# Altium PCB CM3_IO_V1.3_20220317.PcbDoc (part 3 of 7) (continued)
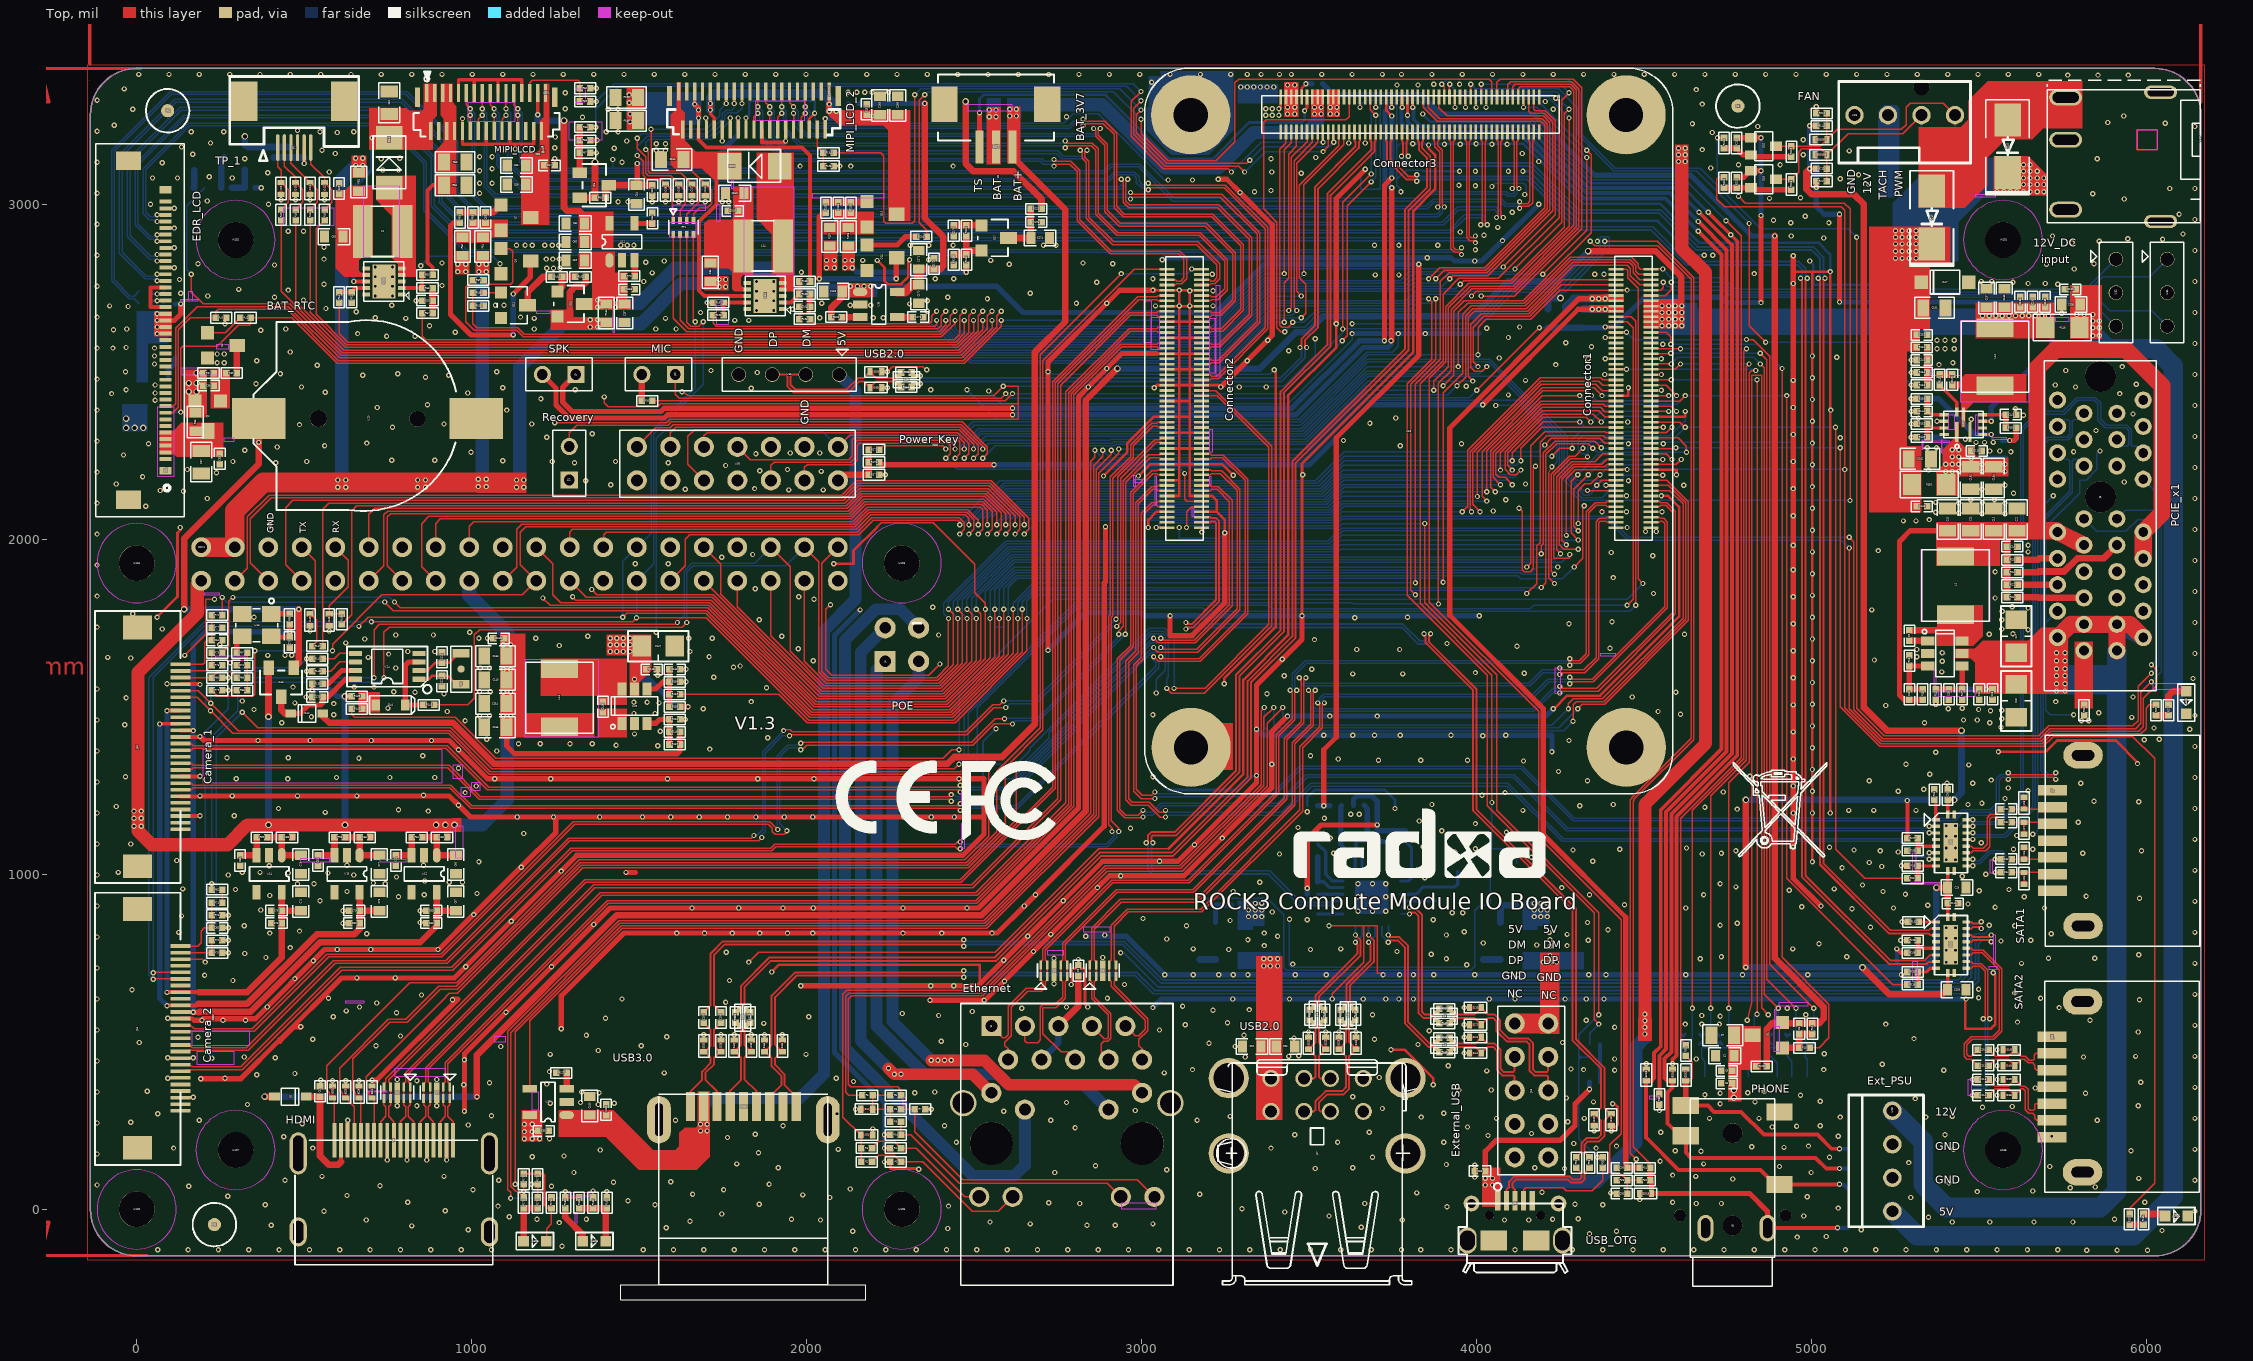
[diagram p0: Top view]
## Nets (pads, with @x,y where several pads share a name; then routed paths per layer and width w, separated by ;. In a path a pad name is that pad's centre, name@x,y a point inside that pad or via, vN(x,y) a via of type N, cw(c..) or ccw(c..) an arc to the next point about the centre after c; other vN are vias at no path point) (continued)
  other v1: 5820.87,-122.05 5911.42,-122.05 6001.97,-122.05 62.99,-120.08 153.54,-120.08 244.09,-120.08 334.65,-120.08 425.2,-120.08 515.75,-120.08 606.3,-120.08 696.85,-120.08 787.4,-120.08 877.95,-120.08 968.5,-120.08 1059.06,-120.08 1511.81,-120.08 1602.36,-120.08 1692.91,-120.08 1783.46,-120.08 1874.02,-120.08 1964.57,-120.08 2055.12,-120.08 2145.67,-120.08 2236.22,-120.08 2326.77,-120.08 2417.32,-120.08 2507.87,-120.08 2598.43,-120.08 2688.98,-120.08 2779.53,-120.08 2870.08,-120.08 2960.63,-120.08 3051.18,-120.08 3141.73,-120.08 3232.28,-120.08 3322.83,-120.08 3413.39,-120.08 3503.94,-120.08 3594.49,-120.08 3685.04,-120.08 3775.59,-120.08 3832.68,-120.08 3923.23,-120.08 4114.17,-120.08 4285.43,-120.08 4375.98,-120.08 4466.54,-120.08 4557.09,-120.08 4647.64,-120.08 4738.19,-120.08 4828.74,-120.08 4919.29,-120.08 5009.84,-120.08 5100.39,-120.08 5190.94,-120.08 5281.5,-120.08 5372.05,-120.08 5462.6,-120.08 5553.15,-120.08 5643.7,-120.08 5734.25,-120.08 1269.69,-110.24 4956.69,-82.68 5043.31,-80.71 4336.61,-72.83 2137.8,-64.96 4417.32,-64.96 6045.28,-62.99 990.16,-61.02 5147.64,-61.02 2421.26,-57.09 1580.71,-55.12 3655.51,-53.15 820.87,-49.21 401.57,-47.24 2836.61,-47.24 2921.26,-47.24 2667.32,-43.31 3033.46,-43.31 1261.81,-39.37 2547.24,-37.4 5419.29,-37.4 5531.5,-37.4 5663.39,-37.4 5779.53,-37.4 1651.57,-35.43 685.04,-31.5 2041.34,-31.5 3777.56,-31.5 4082.68,-31.5 4155.51,-31.5 1194.88,-29.53 1342.52,-29.53 1954.72,-29.53 4226.38,-29.53 5903.54,-29.53 4303.15,-27.56 5348.43,-23.62 1112.2,-21.65 6084.65,-21.65 3559.06,-19.69 4976.38,-19.69 1746.06,-13.78 3427.17,-7.87 559.06,-5.91 6143.7,-5.91 921.26,-3.94 3299.21,1.97 5078.74,3.94 3911.42,7.87 1078.74,9.84 2423.23,9.84 383.86,13.78 1547.24,13.78 4375.98,13.78 1858.27,15.75 4293.31,15.75 2814.96,17.72 3665.35,17.72 4655.51,17.72 4730.31,17.72 2722.44,19.68 809.06,21.65 4584.65,21.65 5994.09,21.65 1466.54,25.59 4486.22,29.53 2068.9,35.43 5295.28,35.43 4986.22,37.4 271.65,39.37 627.95,41.34 1988.19,43.31 1659.45,45.28 3173.23,45.28 3820.87,49.21 4399.61,49.21 4194.88,51.18 1403.54,53.15 5494.09,53.15 5659.45,55.12 1003.94,59.06 1751.97,59.06 2129.92,61.02 5771.65,64.96 5846.46,66.93 155.51,68.9 1238.19,68.9 726.38,70.87 -118.11,72.83 1887.8,74.8 5409.45,78.74 1423.23,80.71 1594.49,82.68 442.91,86.61 1080.71,86.61 6143.7,86.61 4763.78,90.55 5976.38,92.52 3994.09,96.46 553.15,98.43 917.32,98.43 4653.54,98.43 4584.65,102.36 1305.12,110.24 2740.16,110.24 4998.03,110.24 3074.8,118.11 3517.72,122.05 4261.81,122.05 1915.35,124.02 3629.92,124.02 4173.23,124.02 4903.54,127.95 5710.63,127.95 2862.2,129.92 3994.09,131.89 3909.45,133.86 1791.34,135.83 4677.17,135.83 5289.37,139.76 2232.28,141.73 4547.24,143.7 3688.98,155.51 5053.15,155.51 1181.1,157.48 1275.59,159.45 -118.11,165.35 1856.3,169.29 4669.29,173.23 4592.52,175.2 5952.76,175.2 1383.86,177.17 2094.49,179.13 5423.23,179.13 6143.7,179.13 110.24,183.07 525.59,183.07 3385.83,183.07 4356.3,183.07 4917.32,185.04 4820.87,187.01 4417.32,188.98 4990.16,188.98 4289.37,196.85 2446.85,200.79 3584.65,200.79 3901.57,200.79 1232.28,210.63 1763.78,214.57 438.98,216.54 5078.74,218.5 5716.54,218.5 4033.46,220.47 3456.69,222.44 5397.64,222.44 1846.46,224.41 4163.39,226.38 3679.13,230.31 4549.21,230.31 4350.39,234.25 2196.85,240.16 2801.18,244.09 3972.44,246.06 4881.89,246.06 4954.72,248.03 1929.13,250 2411.42,250 5025.59,250 990.16,251.97 494.09,255.91 -118.11,257.87 -17.72,259.84 4271.65,261.81 187.01,265.75 1608.27,265.75 2728.35,265.75 3165.35,265.75 5852.36,265.75 4059.06,271.65 4320.87,271.65 4694.88,271.65 4842.52,271.65 6143.7,271.65 3834.65,275.59 5084.65,275.59 5340.55,275.59 3263.78,277.56 5419.29,277.56 1059.06,279.53 62.99,285.43 2090.55,285.43 3901.57,287.4 2588.58,293.31 2980.31,295.28 4545.28,295.28 2145.67,299.21 2372.05,299.21 3718.5,301.18 5509.84,305.12 5598.43,307.09 777.56,309.06 836.61,309.06 895.67,309.06 5974.41,309.06 330.71,312.99 1377.95,312.99 4726.38,314.96 1234.25,316.93 1425.2,316.93 1324.8,318.9 2775.59,318.9 4348.43,320.87 4830.71,320.87 5025.59,322.83 5309.06,330.71 4267.72,332.68 169.29,334.65 3629.92,336.61 4966.54,340.55 5553.15,340.55 4681.1,342.52 4726.38,346.46 5816.93,346.46 1379.92,348.43 2322.83,348.43 4809.06,348.43 -118.11,350.39 1328.74,350.39 2381.89,350.39 31.5,352.36 4858.27,352.36 3946.85,356.3 4043.31,356.3 5667.32,362.2 6143.7,364.17 976.38,372.05 1224.41,374.02 1053.15,377.95 5982.28,379.92 2139.76,381.89 584.65,383.86 624.02,383.86 663.39,383.86 836.61,383.86 549.21,385.83 777.56,387.8 895.67,387.8 5553.15,387.8 92.52,391.73 263.78,391.73 2088.58,391.73 3708.66,393.7 358.27,401.57 472.44,405.51 1574.8,407.48 3066.93,407.48 1232.28,411.42 4029.53,413.39 4411.42,415.35 5393.7,415.35 3151.57,417.32 4318.9,417.32 5035.43,417.32 4281.5,419.29 3915.35,429.13 5553.15,429.13 5210.63,433.07 4505.91,435.04 -118.11,442.91 978.35,446.85 4411.42,448.82 4655.51,448.82 224.41,450.79 92.52,452.76 169.29,452.76 413.39,452.76 320.87,454.72 3309.06,454.72 5811.02,454.72 3438.98,456.69 5966.54,456.69 6143.7,456.69 3468.5,458.66 1234.25,462.6 1998.03,462.6 5037.4,464.57 3962.6,466.54 1377.95,474.41 5553.15,476.38 1086.61,486.22 3279.53,486.22 714.57,488.19 1505.91,488.19 2474.41,492.13 3824.8,492.13 3200.79,496.06 7.87,498.03 4255.91,498.03 2401.57,501.97 525.59,507.87 3694.88,507.87 5305.12,509.84 3454.72,511.81 183.07,513.78 3962.6,513.78 1582.68,515.75 787.4,517.72 1342.52,519.68 3305.12,519.68 1692.91,521.65 1744.09,521.65 1783.46,521.65 1834.65,521.65 1874.02,521.65 1927.17,521.65 3498.03,529.53 3549.21,529.53 3588.58,529.53 3639.76,529.53 5974.41,529.53 3858.27,533.46 -118.11,535.43 3053.15,535.43 4411.42,543.31 6143.7,549.21 3129.92,551.18 3962.6,551.18 4622.05,553.15 4671.26,553.15 4724.41,553.15 5220.47,553.15 1872.05,555.12 3255.91,557.09 5614.17,559.06 257.87,564.96 324.8,564.96 4326.77,564.96 5830.71,564.96 92.52,570.87 1399.61,570.87 586.61,574.8 2005.91,574.8 4726.38,576.77 2393.7,578.74 4671.26,578.74 3688.98,580.71 4982.28,580.71 2285.43,584.65 775.59,586.61 2494.09,590.55 625.98,592.52 3212.6,594.49 3320.87,596.46 2641.73,600.39 4927.17,600.39 3962.6,602.36 5738.19,602.36 389.76,604.33 665.35,604.33 2775.59,604.33 3122.05,606.3 716.54,616.14 1757.87,618.11 2529.53,624.02 5978.35,625.98 -118.11,627.95 1448.82,627.95 572.83,629.92 2897.64,629.92 5683.07,629.92 5498.03,631.89 850.39,639.76 6143.7,641.73 5606.3,645.67 -13.78,655.51 5498.03,657.48 2370.08,667.32 2438.98,667.32 2948.82,671.26 2738.19,673.23 2590.55,681.1 287.4,683.07 1769.69,683.07 472.44,688.98 202.76,698.82 3153.54,700.79 3230.31,700.79 3273.62,700.79 3316.93,700.79 3458.66,700.79 3551.18,700.79 3769.69,700.79 3811.02,700.79 3872.05,700.79 3994.09,700.79 4098.43,700.79 4122.05,700.79 4334.65,700.79 4385.83,700.79 4624.02,700.79 4793.31,700.79 4988.19,700.79 -118.11,720.47 982.28,724.41 3450.79,732.28 5625.98,734.25 6143.7,734.25 5401.57,738.19 5429.13,738.19 527.56,742.13 2811.02,746.06 3909.45,748.03 4667.32,748.03 2738.19,750 5706.69,750 5844.49,750 385.83,751.97 2883.86,751.97 4730.31,753.94 5104.33,753.94 5976.38,759.84 3864.17,761.81 322.83,763.78 273.62,765.75 1759.84,767.72 3761.81,769.68 5401.57,773.62 5429.13,773.62 3259.84,775.59 3503.94,775.59 3153.54,777.56 3594.49,777.56 4942.91,777.56 458.66,781.5 4218.5,785.43 3366.14,787.4 4269.69,787.4 4179.13,789.37 5021.65,793.31 4019.69,795.28 5564.96,801.18 4332.68,803.15 5265.75,803.15 5653.54,803.15 3316.93,805.12 4218.5,805.12 3074.8,807.09 5401.57,809.06 5429.13,809.06 -118.11,812.99 3405.51,814.96 2889.76,818.9 3909.45,818.9 4269.69,820.87 687.01,822.83 5714.57,822.83 397.64,824.8 3366.14,824.8 125.98,826.77 4216.54,826.77 6143.7,826.77 3962.6,828.74 486.22,830.71 4391.73,834.65 273.62,840.55 5401.57,840.55 5429.13,840.55 5175.2,842.52 320.87,846.46 3133.86,846.46 5606.3,846.46 4726.38,848.43 616.14,854.33 4777.56,854.33 846.46,856.3 4330.71,856.3 5269.69,858.27 1118.11,860.24 3263.78,862.2 3494.09,864.17 3870.08,864.17 3003.94,868.11 133.86,875.98 273.62,877.95 3927.17,885.83 3958.66,885.83 3389.76,887.8 3645.67,889.76 3688.98,889.76 3728.35,889.76 616.14,891.73 846.46,891.73 370.08,893.7 5120.08,897.64 4624.02,899.61 5244.09,899.61 5694.88,899.61 5547.24,901.57 4970.47,903.54 -118.11,905.51 5346.46,907.48 4440.94,909.45 5466.54,911.42 6143.7,919.29 547.24,921.26 5978.35,929.13 781.5,933.07 3645.67,933.07 3728.35,933.07 5633.86,933.07 5818.9,935.04 397.64,937.01 858.27,938.98 4336.61,938.98 4677.17,938.98 5279.53,940.94 1015.75,942.91 627.95,948.82 3273.62,948.82 5212.6,948.82 5500,950.79 4933.07,952.76 295.28,954.72 5588.58,954.72 137.8,956.69 5066.93,956.69 4253.94,960.63 4773.62,962.6 5151.57,968.5 480.31,972.44 529.53,972.44 742.13,972.44 3645.67,972.44 3688.98,972.44 3728.35,972.44 4726.38,972.44 706.69,974.41 933.07,976.38 972.44,976.38 3352.36,976.38 860.24,980.31 3844.49,990.16 775.59,992.13 5448.82,994.09 -118.11,998.03 273.62,998.03 647.64,998.03 5519.69,1000 452.76,1003.94 570.87,1003.94 -55.12,1005.91 314.96,1005.91 368.11,1005.91 3600.39,1005.91 1267.72,1009.84 6143.7,1011.81 3468.5,1015.75 5090.55,1019.68 5208.66,1023.62 395.67,1025.59 5267.72,1025.59 627.95,1027.56 856.3,1027.56 3844.49,1027.56 5171.26,1035.43 1021.65,1037.4 4346.46,1039.37 120.08,1041.34 5401.57,1043.31 5429.13,1043.31 4163.39,1051.18 3468.5,1053.15 3411.42,1061.02 4673.23,1061.02 3572.83,1062.99 4730.31,1062.99 5809.06,1062.99 3935.04,1066.93 5257.87,1066.93 4773.62,1070.87 5204.72,1070.87 5984.25,1070.87 4287.4,1072.83 5125.98,1072.83 4194.88,1074.8 4427.17,1074.8 5602.36,1074.8 5659.45,1074.8 3996.06,1076.77 4625.98,1078.74 5401.57,1078.74 5429.13,1078.74 4944.88,1080.71 5053.15,1080.71 3840.55,1082.68 -118.11,1090.55 -17.72,1090.55 5505.91,1094.49 6143.7,1104.33 3240.16,1108.27 3562.99,1108.27 5401.57,1114.17 5429.13,1114.17 5612.2,1116.14 1155.51,1122.05 4088.58,1125.98 3895.67,1129.92 2966.54,1137.8 3466.54,1139.76 5401.57,1145.67 3996.06,1151.57 5795.28,1155.51 3828.74,1159.45 3545.28,1167.32 291.34,1175.2 3624.02,1179.13 3649.61,1179.13 -118.11,1183.07 4944.88,1183.07 5001.97,1183.07 562.99,1185.04 3494.09,1187.01 870.08,1188.98 4137.8,1190.94 5110.24,1190.94 5185.04,1190.94 5311.02,1190.94 781.5,1192.91 4777.56,1194.88 423.23,1196.85 6143.7,1196.85 4681.1,1200.79 -61.02,1202.76 4307.09,1204.72 3866.14,1208.66 4407.48,1208.66 5466.54,1208.66 5507.87,1212.6 5976.38,1216.54 5842.52,1218.5 285.43,1234.25 480.31,1234.25 657.48,1234.25 856.3,1236.22 4015.75,1236.22 980.31,1244.09 4084.65,1244.09 4736.22,1246.06 5001.97,1248.03 5257.87,1248.03 5645.67,1250 5334.65,1253.94 5586.61,1257.87 1013.78,1263.78 4944.88,1263.78 5403.54,1271.65 5480.31,1271.65 5803.15,1271.65 -118.11,1275.59 4330.71,1279.53 5171.26,1279.53 5535.43,1281.5 297.24,1285.43 450.79,1285.43 596.46,1289.37 755.91,1289.37 889.76,1289.37 6143.7,1289.37 -33.46,1291.34 4814.96,1293.31 5352.36,1299.21 4244.09,1307.09 5001.97,1312.99 960.63,1316.93 5468.5,1326.77 5281.5,1328.74 4139.76,1338.58 3706.69,1340.55 3832.68,1340.55 3972.44,1340.55 3586.61,1344.49 4944.88,1344.49 663.39,1346.46 269.69,1348.43 452.76,1348.43 854.33,1354.33 3503.94,1354.33 5370.08,1364.17 -118.11,1368.11 1074.8,1368.11 1710.63,1374.02 5001.97,1377.95 6143.7,1381.89 1555.12,1383.86 1431.1,1385.83 1139.76,1389.76 1204.72,1389.76 1293.31,1389.76 1360.24,1389.76 4275.59,1399.61 5992.13,1401.57 1045.28,1403.54 6037.4,1403.54 1883.86,1407.48 4017.72,1413.39 1486.22,1419.29 4944.88,1425.2 1562.99,1427.17 6127.95,1433.07 6021.65,1437.01 5564.96,1438.98 5001.97,1442.91 -35.43,1446.85 433.07,1452.76 5336.61,1452.76 5531.5,1452.76 980.31,1458.66 5805.12,1458.66 5826.77,1458.66 -118.11,1460.63 5452.76,1460.63 5494.09,1460.63 1637.8,1462.6 5566.93,1464.57 5954.72,1468.5 521.65,1470.47 1023.62,1472.44 1053.15,1472.44 3561.02,1472.44 3702.76,1472.44 6143.7,1474.41 588.58,1476.38 3033.46,1476.38 4608.27,1478.35 1484.25,1480.31 1547.24,1480.31 5856.3,1482.28 927.17,1486.22 4541.34,1486.22 5533.46,1488.19 5566.93,1490.16 350.39,1492.13 5498.03,1492.13 1690.94,1494.09 5407.48,1494.09 750,1496.06 5448.82,1496.06 5220.47,1503.94 4944.88,1505.91 5001.97,1507.87 588.58,1509.84 472.44,1511.81 1559.06,1511.81 1484.25,1513.78 1523.62,1513.78 1834.65,1515.75 5728.35,1515.75 314.96,1517.72 -31.5,1527.56 505.91,1529.53 4464.57,1529.53 5958.66,1529.53 917.32,1539.37 3374.02,1539.37 830.71,1543.31 4594.49,1543.31 767.72,1545.28 1023.62,1545.28 1055.12,1545.28 -118.11,1553.15 1879.92,1557.09 466.54,1559.06 649.61,1559.06 708.66,1559.06 90.55,1568.9 5001.97,1572.83 1639.76,1574.8 6137.8,1584.65 4944.88,1586.61 1722.44,1588.58 3425.2,1592.52 1555.12,1594.49 3629.92,1598.43 3779.53,1598.43 4141.73,1600.39 3996.06,1602.36 5387.8,1604.33 1639.76,1612.2 3507.87,1612.2 773.62,1616.14 1025.59,1616.14 1053.15,1616.14 1781.5,1618.11 1801.18,1622.05 279.53,1631.89 5389.76,1635.83 2019.69,1637.8 5001.97,1637.8 5187.01,1639.76 -17.72,1645.67 -86.61,1647.64 690.94,1647.64 1708.66,1649.61 5312.99,1649.61 391.73,1653.54 442.91,1653.54 462.6,1653.54 751.97,1657.48 6143.7,1659.45 5389.76,1661.42 809.06,1665.35 889.76,1665.35 1651.57,1665.35 4944.88,1667.32 3641.73,1671.26 3769.69,1671.26 5312.99,1671.26 1974.41,1673.23 4397.64,1675.2 4120.08,1681.1 1261.81,1683.07 248.03,1685.04 3911.42,1688.98 624.02,1690.94 3515.75,1700.79 681.1,1702.76 5001.97,1702.76 1021.65,1704.72 1047.24,1704.72 1190.94,1704.72 1647.64,1704.72 1718.5,1704.72 1346.46,1710.63 1925.2,1710.63 773.62,1714.57 885.83,1714.57 2393.7,1714.57 4620.08,1716.54 5529.53,1716.54 5600.39,1718.5 994.09,1722.44 517.72,1726.38 574.8,1726.38 5645.67,1730.31 76.77,1732.28 5566.93,1732.28 -118.11,1738.19 4275.59,1748.03 4944.88,1748.03 6143.7,1751.97 4403.54,1753.94 1858.27,1759.84 5566.93,1759.84 3635.83,1765.75 350.39,1767.72 3793.31,1767.72 5001.97,1767.72 -11.81,1777.56 5568.9,1785.43 5179.13,1789.37 5645.67,1795.28 2375.98,1797.24 5598.43,1799.21 2021.65,1820.87 5547.24,1824.8 1976.38,1828.74 4944.88,1828.74 -118.11,1830.71 5001.97,1832.68 4527.56,1838.58 6143.7,1844.49 1846.46,1852.36 4407.48,1885.83 5001.97,1897.64 5547.24,1903.54 4944.88,1909.45 -118.11,1923.23 1488.19,1927.17 1586.61,1927.17 6143.7,1937.01 1746.06,1946.85 4525.59,1950.79 1838.58,1954.72 4401.57,1960.63 5001.97,1962.6 5645.67,1962.6 5198.82,1966.54 4944.88,1982.28 5645.67,1982.28 -118.11,2015.75 4503.94,2023.62 4535.43,2023.62 5001.97,2027.56 6143.7,2029.53 4448.82,2035.43 395.67,2045.28 5273.62,2055.12 5311.02,2055.12 5350.39,2059.06 4944.88,2070.87 5507.87,2076.77 5576.77,2076.77 5438.98,2078.74 5370.08,2080.71 4374.02,2082.68 4446.85,2082.68 4553.15,2082.68 4049.21,2084.65 5001.97,2092.52 27.56,2098.43 -118.11,2108.27 5438.98,2108.27 5576.77,2108.27 5370.08,2110.24 5509.84,2110.24 4086.61,2118.11 5474.41,2118.11 5545.28,2118.11 210.63,2122.05 6143.7,2122.05 4446.85,2129.92 5602.36,2137.8 139.76,2143.7 70.87,2145.67 1946.85,2147.64 2049.21,2147.64 1637.8,2149.61 5507.87,2149.61 1844.49,2151.57 4944.88,2151.57 5001.97,2157.48 4618.11,2161.42 5576.77,2161.42 1415.35,2163.39 -61.02,2165.35 4145.67,2165.35 5933.07,2171.26 1340.55,2175.2 4452.76,2175.2 17.72,2187.01 2234.25,2192.91 3480.31,2192.91 238.19,2198.82 -118.11,2200.79 2043.31,2202.76 1860.24,2204.72 5348.43,2206.69 151.57,2208.66 1942.91,2208.66 6143.7,2214.57 1757.87,2220.47 5001.97,2222.44 415.35,2228.35 1307.09,2228.35 1586.61,2228.35 287.4,2232.28 507.87,2232.28 1240.16,2232.28 1429.13,2232.28 4944.88,2232.28 1092.52,2234.25 761.81,2236.22 889.76,2236.22 -39.37,2251.97 1848.43,2255.91 1950.79,2257.87 2039.37,2257.87 998.03,2259.84 5594.49,2261.81 5781.5,2261.81 5531.5,2263.78 5561.02,2263.78 322.83,2265.75 5344.49,2273.62 5372.05,2273.62 419.29,2275.59 561.02,2279.53 3771.65,2279.53 35.43,2285.43 3954.72,2285.43 4452.76,2285.43 4557.09,2285.43 687.01,2287.4 5001.97,2287.4 5490.16,2289.37 5515.75,2289.37 5541.34,2289.37 -118.11,2293.31 3602.36,2295.28 5458.66,2299.21 5084.65,2303.15 1224.41,2305.12 6143.7,2307.09 1360.24,2314.96 5848.43,2324.8 763.78,2334.65 486.22,2342.52 917.32,2344.49 1179.13,2344.49 5297.24,2344.49 3681.1,2346.46 4450.79,2350.39 5001.97,2352.36 5374.02,2352.36 5476.38,2358.27 3757.87,2362.2 5318.9,2362.2 5631.89,2370.08 5958.66,2374.02 5297.24,2381.89 -118.11,2385.83 1104.33,2385.83 5057.09,2385.83 5608.27,2389.76 718.5,2393.7 4944.88,2393.7 6143.7,2399.61 868.11,2401.57 55.12,2415.35 5001.97,2417.32 1206.69,2419.29 4094.49,2431.1 -74.8,2435.04 5919.29,2435.04 55.12,2437.01 988.19,2437.01 562.99,2438.98 4551.18,2444.88 -31.5,2446.85 1309.06,2446.85 2370.08,2446.85 1834.65,2450.79 1092.52,2452.76 2240.16,2452.76 492.13,2454.72 3291.34,2454.72 3372.05,2454.72 5787.4,2454.72 3968.5,2456.69 55.12,2460.63 5726.38,2460.63 5968.5,2462.6 356.3,2464.57 4145.67,2474.41 4944.88,2474.41 -118.11,2478.35 5001.97,2482.28 862.2,2484.25 675.2,2490.16 931.1,2490.16 4381.89,2492.13 4551.18,2492.13 6143.7,2492.13 429.13,2494.09 779.53,2494.09 1852.36,2498.03 5297.24,2498.03 -33.46,2500 1074.8,2500 1714.57,2503.94 5757.87,2503.94 5927.17,2515.75 539.37,2519.68 4236.22,2521.65 5379.92,2521.65 53.15,2523.62 240.16,2527.56 261.81,2527.56 5421.26,2527.56 358.27,2533.46 3314.96,2533.46 5297.24,2535.43 4332.68,2539.37 4383.86,2539.37 4551.18,2539.37 4066.93,2541.34 5074.8,2543.31 53.15,2547.24 5001.97,2547.24 240.16,2553.15 261.81,2553.15 458.66,2559.06 3438.98,2562.99 5374.02,2568.9 5397.64,2568.9 5425.2,2568.9 -118.11,2570.87 -70.87,2570.87 53.15,2570.87 -31.5,2572.83 4342.52,2574.8 4555.12,2582.68 6143.7,2584.65 4265.75,2586.61 3375.98,2594.49 5374.02,2594.49 5397.64,2594.49 5425.2,2594.49 4094.49,2602.36 4383.86,2602.36 746.06,2606.3 830.71,2606.3 659.45,2614.17 3846.46,2614.17 950.79,2618.11 370.08,2624.02 -68.9,2625.98 -29.53,2627.95 444.88,2627.95 1187.01,2627.95 1549.21,2627.95 1610.24,2627.95 4029.53,2629.92 4127.95,2633.86 874.02,2637.8 263.78,2643.7 1785.43,2653.54 1826.77,2653.54 803.15,2659.45 1187.01,2659.45 1578.74,2659.45 712.6,2661.42 2039.37,2661.42 2198.82,2661.42 2228.35,2661.42 -118.11,2663.39 1145.67,2663.39 5746.06,2675.2 1683.07,2677.17 6143.7,2677.17 655.51,2679.13 2360.24,2681.1 1850.39,2683.07 1901.57,2683.07 1958.66,2687.01 564.96,2688.98 -25.59,2694.88 -80.71,2696.85 3041.34,2696.85 3212.6,2696.85 761.81,2698.82 1070.87,2698.82 1096.46,2698.82 2129.92,2698.82 2190.94,2698.82 2307.09,2702.76 2045.28,2704.72 2805.12,2704.72 1702.76,2706.69 834.65,2712.6 1850.39,2712.6 1901.57,2712.6 2360.24,2712.6 498.03,2714.57 2539.37,2718.5 411.42,2722.44 2421.26,2722.44 212.6,2726.38 712.6,2726.38 763.78,2726.38 131.89,2734.25 2667.32,2734.25 1850.39,2740.16 1901.57,2740.16 3212.6,2742.13 452.76,2744.09 3033.46,2744.09 305.12,2746.06 -118.11,2755.91 712.6,2755.91 763.78,2755.91 911.42,2757.87 559.06,2761.81 5734.25,2761.81 4944.88,2763.78 5645.67,2763.78 5696.85,2763.78 2866.14,2767.72 5600.39,2767.72 1513.78,2769.68 1850.39,2769.68 1901.57,2769.68 5505.91,2769.68 5537.4,2769.68 6143.7,2769.68 127.95,2775.59 2383.86,2777.56 2438.98,2777.56 3033.46,2777.56 712.6,2783.46 763.78,2783.46 3696.85,2789.37 3767.72,2789.37 3210.63,2791.34 4352.36,2791.34 4379.92,2791.34 4828.74,2793.31 1539.37,2795.28 1984.25,2797.24 5783.46,2807.09 1224.41,2809.06 1244.09,2809.06 1263.78,2809.06 112.2,2811.02 712.6,2812.99 763.78,2812.99 411.42,2818.9 2604.33,2820.87 5700.79,2820.87 183.07,2822.83 2913.39,2822.83 5842.52,2822.83 911.42,2824.8 2824.8,2824.8 1519.69,2826.77 1574.8,2830.71 3994.09,2830.71 2167.32,2832.68 2364.17,2834.65 559.06,2836.61 1222.44,2836.61 1242.13,2836.61 -118.11,2848.43 4704.72,2848.43 6143.7,2862.2 3996.06,2864.17 112.2,2870.08 559.06,2872.05 1133.86,2877.95 1159.45,2877.95 1181.1,2877.95 1218.5,2877.95 1240.16,2877.95 1259.84,2877.95 1444.88,2877.95 1464.57,2877.95 1484.25,2877.95 2309.06,2877.95 2364.17,2877.95 2437.01,2877.95 2706.69,2877.95 2744.09,2877.95 3694.88,2877.95 3767.72,2877.95 3883.86,2877.95 5777.56,2885.83 4360.24,2889.76 5858.27,2889.76 6047.24,2895.67 5942.91,2897.64 5035.43,2899.61 4938.98,2905.51 5718.5,2905.51 4021.65,2907.48 4757.87,2909.45 6108.27,2911.42 3950.79,2917.32 452.76,2919.29 498.03,2919.29 112.2,2929.13 4062.99,2931.1 -118.11,2940.94 4937.01,2944.88 5051.18,2944.88 4885.83,2952.76 6143.7,2954.72 4980.31,2964.57 6096.46,2970.47 4106.3,2976.38 112.2,2988.19 41.34,3000 393.7,3000 1437.01,3007.87 1466.54,3007.87 1539.37,3007.87 1578.74,3007.87 1618.11,3007.87 1657.48,3007.87 1696.85,3007.87 1748.03,3007.87 1767.72,3007.87 210.63,3009.84 431.1,3013.78 474.41,3013.78 517.72,3013.78 561.02,3013.78 5933.07,3015.75 4874.02,3017.72 4966.54,3019.68 5838.58,3031.5 -118.11,3033.46 1023.62,3033.46 3336.61,3037.4 3385.83,3041.34 6068.9,3047.24 6143.7,3047.24 3996.06,3055.12 3946.85,3057.09 5169.29,3059.06 1023.62,3062.99 1061.02,3062.99 3151.57,3072.83 5084.65,3076.77 47.24,3078.74 122.05,3078.74 285.43,3078.74 216.54,3082.68 5139.76,3088.58 3476.38,3092.52 391.73,3094.49 574.8,3096.46 3387.8,3096.46 3996.06,3098.43 4094.49,3098.43 1023.62,3100.39 734.25,3102.36 781.5,3102.36 1061.02,3106.3 4698.82,3108.27 2098.43,3114.17 2131.89,3114.17 2437.01,3114.17 4781.5,3118.11 4905.51,3118.11 76.77,3124.02 -118.11,3125.98 1448.82,3125.98 4185.04,3127.95 322.83,3135.83 730.31,3135.83 3385.83,3135.83 5852.36,3135.83 785.43,3137.8 3519.69,3139.76 1023.62,3141.73 1061.02,3141.73 4974.41,3147.64 167.32,3149.61 592.52,3151.57 4135.83,3151.57 1372.05,3153.54 5112.2,3159.45 553.15,3161.42 1551.18,3161.42 1578.74,3161.42 4673.23,3163.39 1129.92,3165.35 1425.2,3167.32 1248.03,3169.29 133.86,3171.26 3903.54,3179.13 3950.79,3179.13 4045.28,3179.13 4090.55,3179.13 1551.18,3181.1 1578.74,3181.1 220.47,3183.07 3618.11,3183.07 3667.32,3183.07 1462.6,3188.98 1748.03,3188.98 4974.41,3192.91 1250,3200.79 598.43,3214.57 4702.76,3214.57 163.39,3216.54 259.84,3216.54 547.24,3216.54 647.64,3216.54 1401.57,3216.54 1437.01,3216.54 -118.11,3218.5 480.31,3220.47 4838.58,3232.28 6143.7,3232.28 -66.93,3236.22 4643.7,3240.16 6055.12,3242.13 5883.86,3244.09 1698.82,3257.87 1330.71,3259.84 2775.59,3261.81 5931.1,3263.78 3370.08,3265.75 3389.76,3265.75 3409.45,3265.75 -11.81,3283.46 1407.48,3283.46 1437.01,3283.46 4228.35,3283.46 1279.53,3285.43 3370.08,3285.43 3389.76,3285.43 4027.56,3289.37 4673.23,3299.21 4204.72,3307.09 -118.11,3311.02 1279.53,3332.68 2124.02,3334.65 2149.61,3334.65 2173.23,3334.65 2194.88,3334.65 2244.09,3334.65 4655.51,3342.52 -37.4,3344.49 1372.05,3346.46 3761.81,3356.3 3824.8,3356.3 3872.05,3358.27 3948.82,3358.27 3029.53,3364.17 5763.78,3385.83 5854.33,3385.83 5944.88,3385.83 5.91,3387.8 96.46,3387.8 187.01,3387.8 277.56,3387.8 368.11,3387.8 458.66,3387.8 549.21,3387.8 639.76,3387.8 730.31,3387.8 820.87,3387.8 911.42,3387.8 1001.97,3387.8 1092.52,3387.8 1183.07,3387.8 1273.62,3387.8 1364.17,3387.8 1454.72,3387.8 1545.28,3387.8 1635.83,3387.8 1726.38,3387.8 1816.93,3387.8 1907.48,3387.8 1998.03,3387.8 2088.58,3387.8 2179.13,3387.8 2269.69,3387.8 2360.24,3387.8 2450.79,3387.8 2541.34,3387.8 2631.89,3387.8 2722.44,3387.8 2812.99,3387.8 2903.54,3387.8 2994.09,3387.8 3084.65,3387.8 3175.2,3387.8 3265.75,3387.8 3314.96,3387.8 3356.3,3387.8 3411.42,3387.8 3446.85,3387.8 3537.4,3387.8 3627.95,3387.8 3718.5,3387.8 3775.59,3387.8 3866.14,3387.8 3956.69,3387.8 4047.24,3387.8 4137.8,3387.8 4228.35,3387.8 4318.9,3387.8 4409.45,3387.8 4500,3387.8 4590.55,3387.8 4681.1,3387.8 4771.65,3387.8 4862.2,3387.8 4952.76,3387.8 5043.31,3387.8 5133.86,3387.8 5224.41,3387.8 5314.96,3387.8 5405.51,3387.8 5496.06,3387.8 5586.61,3387.8 5677.17,3387.8
GPIO_VREF: Q15.1 Q16.1 R169.1 R170.1 R171.1 R173.2 R175.1 R180.1 R181.2 R210.1 R212.1 U33.78 | length 6698.9
  Top w3.94: R173.2@1155.51,74.8 v1(1155.51,53.15) R175.1@1155.51,35.43 1137.1,53.85 1131.39,53.85 1116.14,69.1 1116.14,527.98 1442.49,854.33 2531.6,854.33 2856.3,1179.03 2856.3,2219.78 2883.86,2247.34 v1(2883.86,2265.75) ; v1(1279.53,53.15) R180.1@1279.53,35.43 R181.2@1320.87,35.43 ; v1(4000,2444.88) v1(4187.01,2631.89)
  Top w7.87: v1(4383.86,2633.86) 4415.16,2633.86 U33.78@4415.75,2633.27
  Top w15.75: R212.1@4775.59,3080.71 4797.24,3080.71 4816.93,3100.39 Q16.1@4818.9,3100.39 v1(4848.43,3100.39) ; R210.1@4775.59,3198.82 Q15.1@4818.9,3198.82 v1(4848.43,3198.82) ; v1(4848.43,2706.69) v1(4848.43,2966.54)
  Bottom w3.94: v1(1155.51,53.15) v1(1279.53,53.15) ; v1(2883.86,2265.75) 2905.51,2244.09 3490.88,2244.09 3670.02,2423.23 3978.35,2423.23 v1(4000,2444.88) ; v1(4187.01,2631.89) R169.1@4212.6,2631.89
  Bottom w15.75: R170.1@4318.9,2631.89 4381.89,2631.89 v1(4383.86,2633.86) 4411.42,2633.86 4500,2722.44 4730.31,2722.44 4746.06,2706.69 v1(4848.43,2706.69) ; v1(4848.43,2966.54) v1(4848.43,3100.39) v1(4848.43,3198.82)
  Bottom w19.68: R169.1@4212.6,2631.89 R171.1@4265.75,2631.89 R170.1@4318.9,2631.89
HDMI_TX0N_PORT: J1.9 U2.2 U2.9 U33.184 | length 4150.9
  Top w3.94: J1.9@787.41,206.69 787.41,261.82 803.15,277.56 803.15,307.08 797.24,312.99 U2.9@797.24,331.21 U2.2@797.24,365.65 797.24,375 803.15,380.9 803.15,407.48 1364.17,968.5 2492.54,968.5 2750,1225.96 2750,2463.89 2962.68,2676.57 3045.28,2676.57 3049.21,2680.51 U33.184@3075.2,2680.51
HDMI_TX0P_PORT: J1.7 U2.1 U2.10 U33.182 | length 4137.9
  Top w3.94: J1.7@826.78,206.69 826.78,261.81 811.03,277.55 811.03,307.09 816.93,312.99 U2.10@816.93,331.21 U2.1@816.93,365.65 816.93,375 811.02,380.9 811.02,404.22 1367.43,960.63 2495.81,960.63 2757.87,1222.7 2757.87,2460.63 2965.94,2668.7 3045.28,2668.7 3049.21,2664.76 U33.182@3075.2,2664.76
HDMI_TX1N_PORT: J1.6 U1.5 U1.6 U33.178 | length 4075
  Top w3.94: J1.6@846.46,206.69 846.46,261.81 862.2,277.56 862.2,307.09 856.3,312.99 U1.6@856.3,331.21 U1.5@856.3,365.65 856.3,375 862.21,380.9 862.21,422.55 1384.54,944.88 2505.23,944.88 2773.62,1213.27 2773.62,2440.69 2962.26,2629.33 3045.28,2629.33 3049.21,2633.27 U33.178@3075.2,2633.27
HDMI_TX1P_PORT: J1.4 U1.4 U1.7 U33.176 | length 4061.9
  Top w3.94: J1.4@885.83,206.69 885.83,261.81 870.08,277.56 870.08,307.09 875.98,312.99 U1.7@875.99,331.21 U1.4@875.99,365.65 875.99,375 870.08,380.9 870.08,419.29 1387.8,937.01 2508.49,937.01 2781.5,1210.01 2781.5,2437.43 2965.53,2621.46 3045.28,2621.46 3049.21,2617.52 U33.176@3075.2,2617.52
HDMI_TX2N_PORT: J1.3 U1.2 U1.9 U33.172 | length 4005.5
  Top w3.94: J1.3@905.52,206.69 905.52,261.82 921.26,277.56 921.26,307.08 915.35,313 U1.9@915.35,331.21 U1.2@915.35,365.65 915.35,375 921.26,380.9 921.26,438.1 1404.42,921.26 2503.88,921.26 2789.37,1206.75 2789.37,2434.16 2937.29,2582.09 3045.28,2582.09 3049.21,2586.02 U33.172@3075.2,2586.02
HDMI_TX2P_PORT: J1.1 U1.1 U1.10 U33.170 | length 3992.4
  Top w3.94: J1.1@944.89,206.69 944.89,261.81 929.14,277.55 929.14,307.09 935.04,312.99 U1.10@935.04,331.21 U1.1@935.04,365.65 935.04,375 929.13,380.9 929.13,434.84 1407.68,913.39 2507.14,913.39 2797.24,1203.49 2797.24,2430.9 2940.55,2574.21 3045.28,2574.21 3049.21,2570.28 U33.170@3075.2,2570.28
HDMI_TX_CEC_PORT: ED4.1 J1.13 U33.151 | length 4587.7
  Top w3.94: J1.13@708.67,206.69 708.67,326.77 ED4.1@702.76,332.68 696.85,338.58 693.92,338.58 693.92,347.42 685.04,356.3 685.04,393.7 685.04,395.87 923.03,633.86 923.03,635.15 933.07,645.19 956.58,645.19 1331.08,1019.68 2482.31,1019.68 2625.98,1163.36 v1(2625.98,1328.74) ; v1(3096.46,1555.12) 3188.98,1555.12 3379.92,1746.06 3379.92,2274.3 3225.68,2428.54 U33.151@3179.13,2428.54
  Bottom w3.94: v1(2625.98,1328.74) 2665.88,1368.64 2665.88,1376.93 3023.2,1734.25 3069.32,1734.25 3096.46,1707.11 v1(3096.46,1555.12)
HDMI_TX_HPD_PORT: ED1.1 J1.19 U33.153 | length 4810.5
  Top w3.94: J1.19@590.56,206.69 590.56,326.77 ED1.1@584.65,332.68 578.74,338.58 575.81,338.58 575.81,347.42 566.93,356.3 566.93,429.13 814.96,677.17 955.06,677.17 1321.2,1043.31 2472.52,1043.31 2543.31,1114.09 v1(2543.31,1328.74) ; v1(3074.8,1555.12) 3088.58,1541.34 3187.01,1541.34 3387.8,1742.13 3387.8,2277.56 3221.06,2444.29 U33.153@3179.13,2444.29
  Bottom w3.94: v1(2543.31,1328.74) 2579.82,1328.74 2593.6,1314.96 2631.69,1314.96 2724.41,1407.68 2724.41,1424.32 3026.46,1726.38 3066.06,1726.38 3078.74,1713.69 3078.74,1588.58 3074.8,1584.64 v1(3074.8,1555.12)
HDMI_TXCLKN_PORT: J1.12 U2.5 U2.6 U33.190 | length 4203.1
  Top w3.94: J1.12@728.35,206.69 728.35,261.81 744.09,277.56 744.09,307.09 738.19,312.99 U2.6@738.19,331.21 U2.5@738.19,365.65 738.19,375 744.1,380.9 744.1,390.41 1337.94,984.25 2458.01,984.25 2734.25,1260.49 2734.25,2470.41 2987.66,2723.82 3045.28,2723.82 3049.21,2727.76 U33.190@3075.2,2727.76
HDMI_TXCLKP_PORT: J1.10 U2.4 U2.7 U33.188 | length 4190.1
  Top w3.94: J1.10@767.72,206.69 767.72,261.81 751.97,277.56 751.97,307.09 757.87,312.99 U2.7@757.88,331.21 U2.4@757.88,365.65 757.88,375 751.97,380.9 751.97,387.15 1341.2,976.38 2461.27,976.38 2742.13,1257.23 2742.13,2467.15 2990.92,2715.94 3045.28,2715.94 3049.21,2712.01 U33.188@3075.2,2712.01
HDMI_TXDDC_SCL_PORT: ED3.1 J1.15 U33.200 | length 4410.2
  Top w3.94: J1.15@669.3,206.69 669.3,326.77 ED3.1@663.39,332.68 657.48,338.58 654.55,338.58 654.55,347.42 645.67,356.3 645.67,449.91 754.81,559.06 807.09,559.06 905.51,657.48 957.71,657.48 1327.79,1027.56 2479.05,1027.56 2592.52,1141.03 2592.52,1318.79 2704.72,1430.99 2704.72,2533.27 2977.95,2806.5 U33.200@3075.2,2806.5
HDMI_TXDDC_SDA_PORT: ED2.1 J1.16 U33.199 | length 4554.2
  Top w3.94: J1.16@649.61,206.69 649.61,307.09 ED2.1@624.02,332.68 618.11,338.58 615.18,338.58 615.18,347.42 606.3,356.3 606.3,375.98 606.3,421.68 751.55,566.93 803.83,566.93 902.25,665.35 954.42,665.35 1324.5,1035.43 2475.78,1035.43 2566.93,1126.58 2566.93,1308.35 2696.85,1438.27 2696.85,2551.18 v1(2938.98,2793.31) ; v1(3149.61,2807.09) 3178.54,2807.09 U33.199@3179.13,2806.5
  Bottom w3.94: v1(2938.98,2793.31) 3135.83,2793.31 v1(3149.61,2807.09)